# KiCad board panel.opm-inline.kicad_pcb (continued)
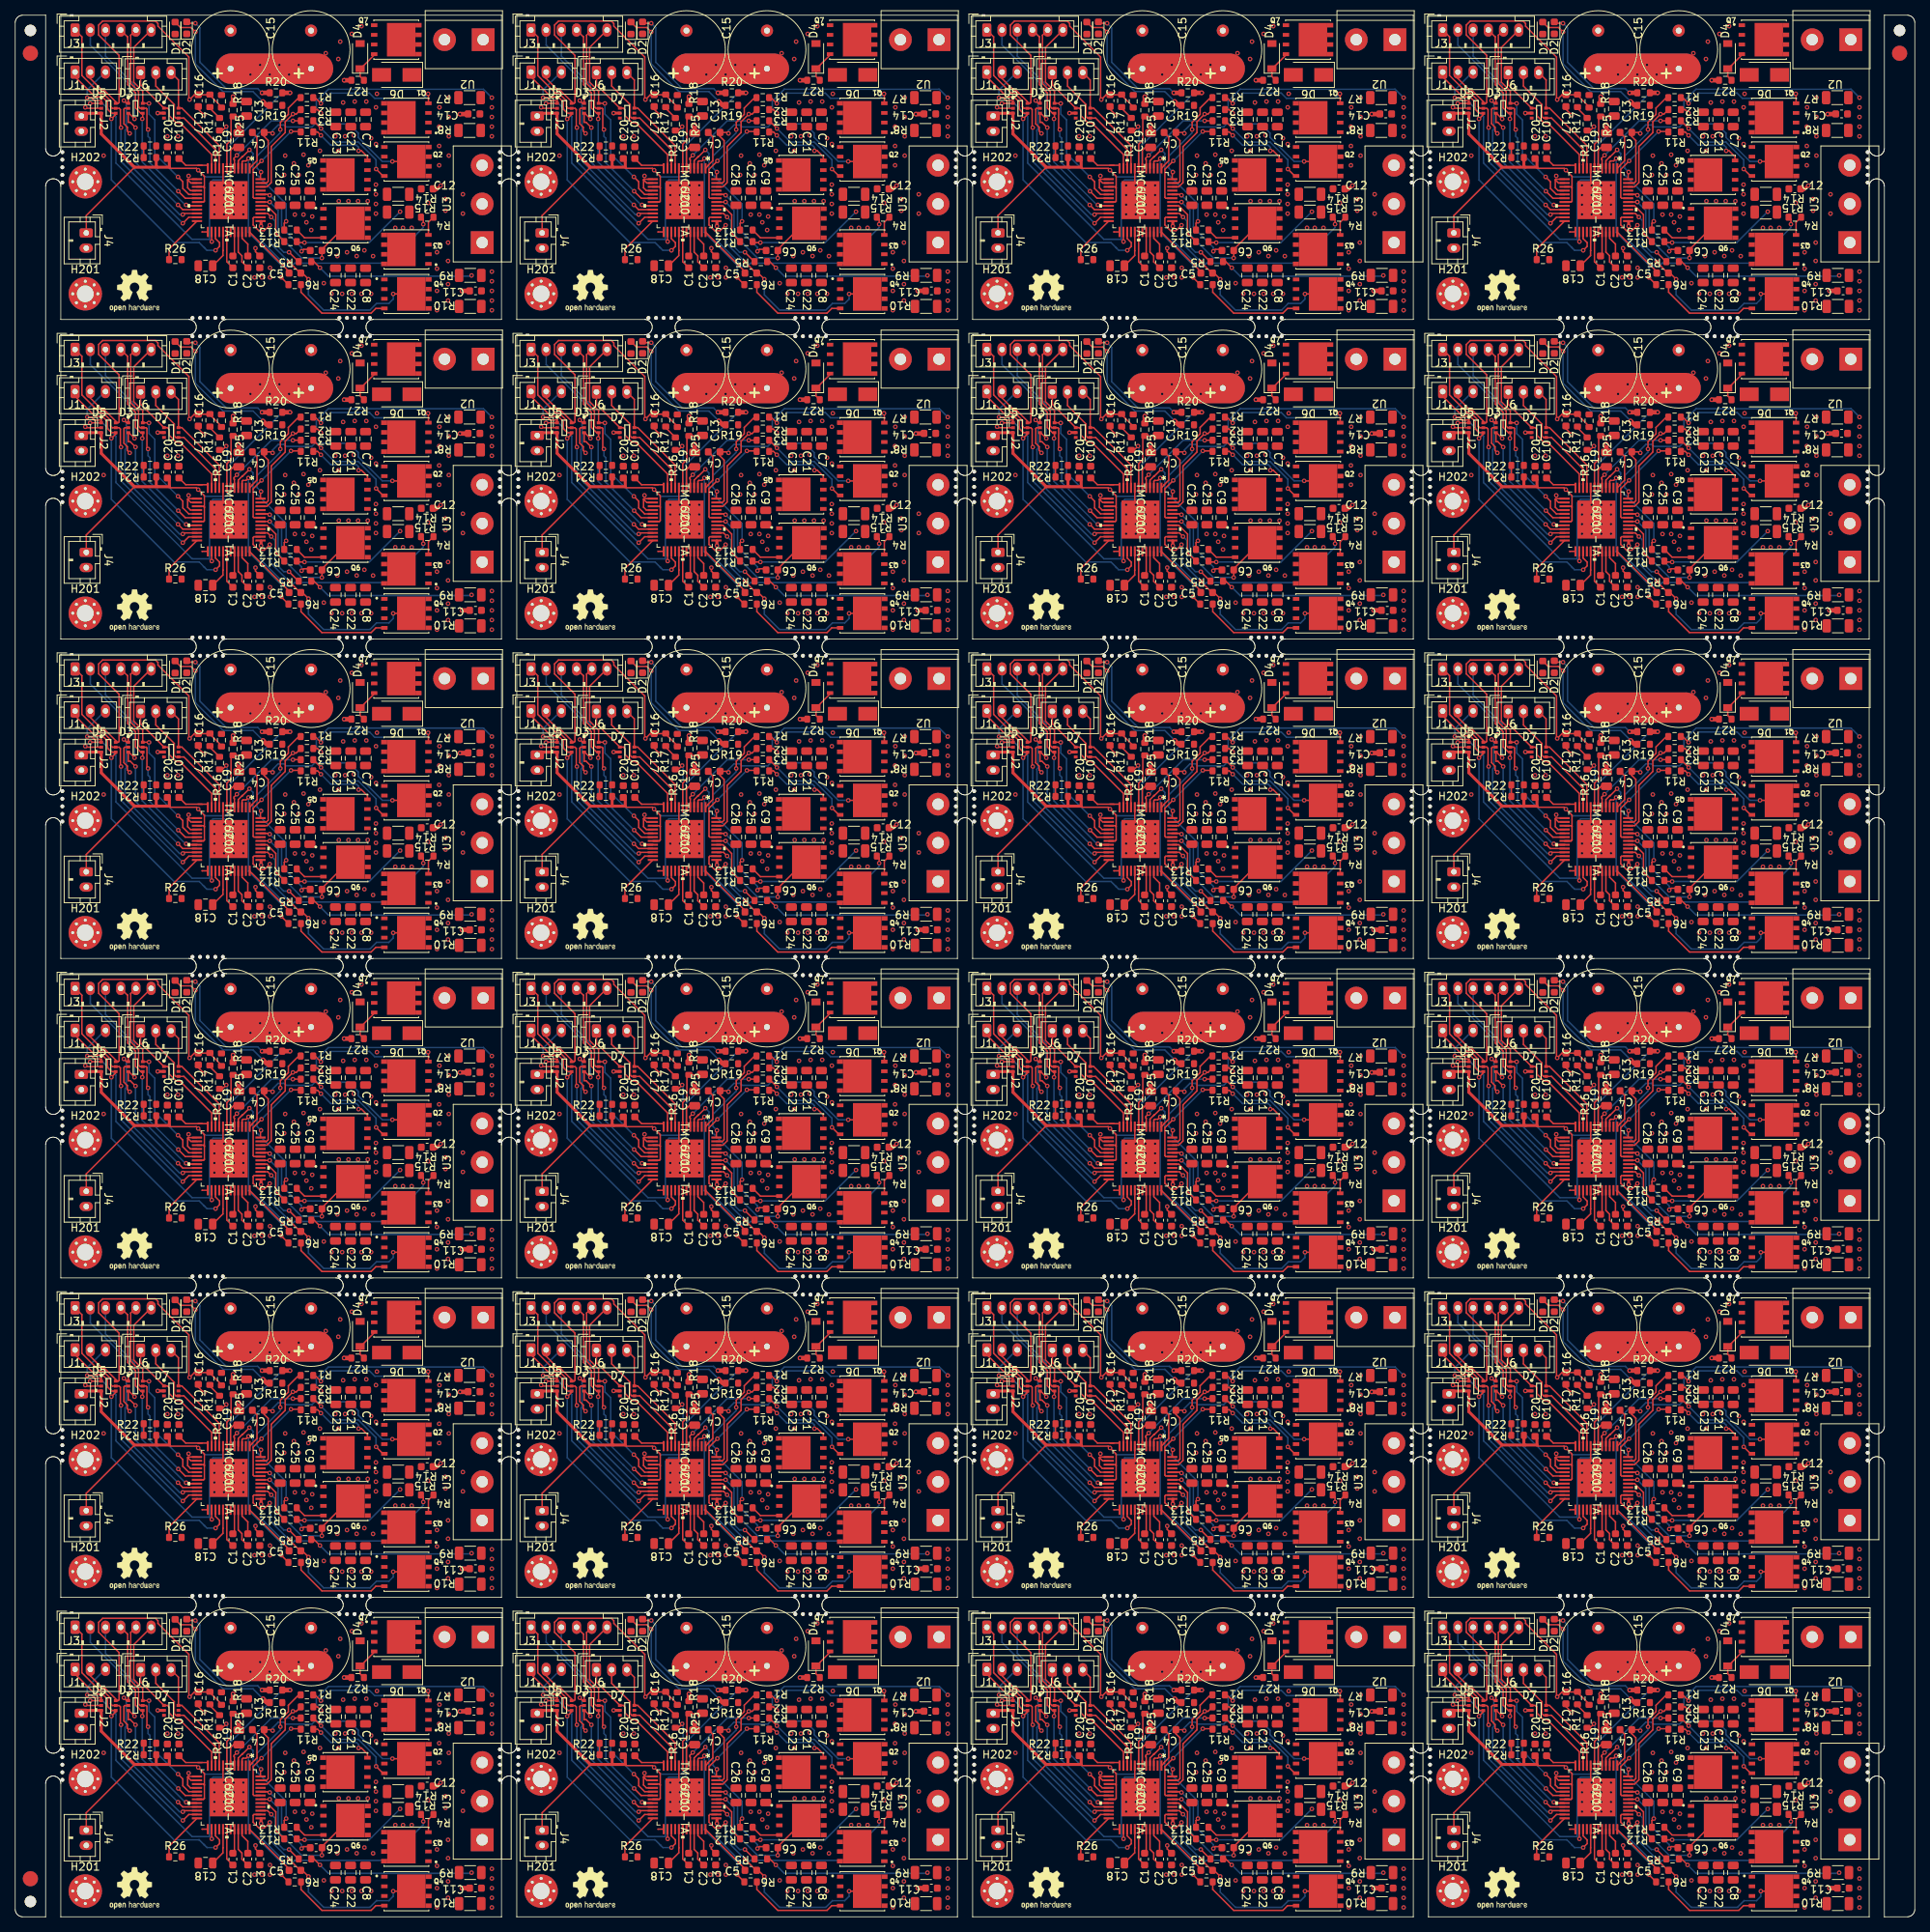
[diagram p0: board, top side]
## Routing (per net, layer and track width the routed paths; a pad name or vN(x,y) marks a point on that pad's centre or on a via; arc(x,y) is an arc through that point) (continued)
Board_0-Net-(D1-Pad2): length 19.4
  Top w0.2: R19#14.1 33.09,238.1 ; D1#2.2 21.74,248.34 23.11,248.34 v1(23.69,247.75)
  Top w0.6: 33.09,238.1 v1(32.58,238.61)
  Bottom w0.2: v1(23.69,247.75) 23.69,243.56 27.34,239.91 31.28,239.91 v1(32.58,238.61)
Board_0-Net-(D2-Pad2): length 17.4
  Top w0.2: v1(23.69,248.9) 22.73,248.9 D2#19.2
  Top w0.6: R20#9.1 v1(32.46,239.75)
  Bottom w0.2: v1(23.69,248.9) 24.29,248.3 24.29,243.77 27.75,240.31 31.89,240.31 v1(32.46,239.75)
Board_0-Net-(D4-Pad1): length 4.4
  Top w0.2: 45.41,242.93 47.21,244.73 Q7#12.4 ; D4#24.1 45.36,241.9 R27#20.1
Board_0-Net-(IC1-Pad3): length 20.6
  Top w0.2: v1(30.68,231.12) 30.36,230.8 29.95,230.8 29.83,230.68 IC1#3.3 ; v1(35,215.49) 35,215.47 R6#11.2
  Bottom w0.2: v1(30.68,231.12) 30.68,221.41 35,217.09 v1(35,215.49)
Board_0-Net-(IC1-Pad4): length 16.7
  Top w0.2: 29.83,231.33 29.92,231.41 ; 29.83,231.33 29.33,230.83 IC1#3.4 29.33,230.64 ; 29.83,231.33 29.87,231.33 v1(30.8,232.26) ; v1(35.63,222.86) 35.38,222.61 R13#5.2
  Bottom w0.2: v1(35.63,222.86) 35.63,225.15 31.28,229.5 31.28,231.79 v1(30.8,232.26)
Board_0-Net-(IC1-Pad5): length 12.2
  Top w0.2: v1(29.15,231.54) 28.77,231.16 28.77,230.99 28.83,230.93 IC1#3.5 ; R3#3.2 36.53,236.08 v1(36.52,236.07)
  Bottom w0.2: v1(29.15,231.54) 33.68,236.07 v1(36.52,236.07)
Board_0-Net-(IC1-Pad24): length 6.6
  Top w0.2: R26#12.1 20.23,219.22 IC1#3.24
Board_0-Net-(IC1-Pad37): length 28.9
  Top w0.2: v1(53.66,222.48) 53.66,223.1 R4#7.2 ; 32.33,222.83 IC1#3.37
  Top w0.4: v1(32.33,222.23) 32.33,222.83
  Bottom w0.2: v1(53.66,222.48) 53.66,222.05 48.97,217.36 36.74,217.36 36.3,216.93 35.72,216.93 32.33,220.32 v1(32.33,222.23)
Board_0-Net-(IC1-Pad39): length 9.3
  Top w0.2: 37.28,217.76 37.05,217.76 v1(36.01,218.8) ; v1(33.67,223.42) 33.2,223.9 IC1#3.39
  Bottom w0.2: v1(33.67,223.42) 34.17,222.92 34.17,219.93 35.31,218.8 v1(36.01,218.8)
Board_0-Net-(IC1-Pad41): length 6.5
  Top w0.2: IC1#3.41 33.11,224.9 34.27,223.74 34.27,221.3 R12#18.2
Board_0-Net-(IC1-Pad43): length 13.1
  Top w0.2: IC1#3.43 31.41,225.9 31.29,226.02 31.29,229.69 v1(32.39,230.8) ; v1(36.27,234.67) 37.49,234.67 R11#5.2
  Bottom w0.2: v1(32.39,230.8) v1(36.27,234.67)
Board_0-Net-(IC1-Pad46): length 13.1
  Top w0.2: IC1#3.46 33.11,227.4 33.67,227.95 33.67,232.69 35.5,234.53 35.5,235.94 v1(36.52,236.96) 36.96,236.96 R2.2
Board_0-Net-(IC1-Pad48): length 13.8
  Top w0.2: R1#8.2 37.28,239.12 35.92,237.75 35.92,236.92 34.87,235.87 v1(34.87,234.93) ; v1(32.33,229.34) 32.26,229.27 IC1#3.48
  Bottom w0.2: v1(34.87,234.93) 34.87,234.5 31.79,231.42 31.79,229.87 v1(32.33,229.34) 32.33,229.59
Board_0-Net-(Q1-Pad4): length 17.8
  Top w0.2: Q1#6.4 54.34,239.58 v1(54.3,239.62) ; R1#8.1 39.44,239.12 v1(40.2,238.35)
  Bottom w0.2: v1(54.3,239.62) 53.7,239.02 47.28,239.02 46.59,239.72 41.56,239.72 v1(40.2,238.35)
Board_0-Net-(Q2-Pad4): length 13.2
  Top w0.2: v1(47.46,229.73) 48.37,228.82 Q2#5.4 ; 40.33,234.95 v1(40.21,235.06) R3#3.1
  Bottom w0.2: v1(47.46,229.73) 47.46,230.94 45.12,233.27 42,233.27 v1(40.21,235.06)
Board_0-Net-(Q3-Pad4): length 2.6
  Top w0.2: R4#7.1 54.34,222.74 Q3#20.4
Board_0-Net-(Q4-Pad4): length 13.5
  Top w0.2: Q4#16.4 47.42,211.41 46.81,210.8 40.33,210.8 37.58,213.54 R6#11.1 37.78,214.54
Board_0-Net-(Q5-Pad4): length 9.2
  Top w0.2: v1(40.2,234.16) 39.76,234.61 R11#5.1 ; Q5#4.4 46.32,231.35 45.54,232.13 v1(45.16,232.13)
  Bottom w0.2: v1(40.2,234.16) 41.5,232.87 44.88,232.87 45.16,232.59 v1(45.16,232.13)
Board_0-Net-(Q6-Pad4): length 3.9
  Top w0.2: R13#5.1 38.04,220.7 Q6#14.4
Board_0-Net-(R16-Pad2): length 2
  Top w0.2: R16#23.2 25.6,237.72 R17#19.1
Board_1-/+VM: length 61.7
  Top w0.2: IC1#16.33 89.28,218.81 89.77,218.33 89.77,217.53 C2#6.1
  Top w0.6: R25.2 v1(88.6,239.24)
  Top w4: 88.34,242.93 99.77,242.93
  In1.Cu w4: 88.6,242.93 98.4,242.93
  In2.Cu w4: 88.34,242.93 99.77,242.93 88.34,242.93
  Bottom w4: 88.34,242.93 99.77,242.93
  vias: v1(90.88,242.16) v1(91.41,215.49) v1(92.15,243.43) v1(92.38,215.49) v1(93.42,242.16) v1(93.45,216.76) v1(93.45,215.49) v1(94.69,243.43) v1(95.33,228.96) v1(95.45,231.5) v1(95.96,242.16) v1(96.6,230.48) v1(97.23,243.43) v1(97.23,228.96) v1(97.87,231.62) v1(98.5,230.23) v1(100.03,232.13) v1(100.79,244.96) v1(102.31,218.3) v1(102.44,244.2) v1(102.44,232.13) v1(102.69,246.48) v1(103.07,238.48) v1(103.58,218.8) v1(104.22,247.5) v1(104.6,238.61) v1(104.85,218.3) v1(105.49,248.51) v1(105.87,219.05) v1(106.12,238.61) v1(107.01,218.29) v1(107.39,237.85) v1(107.52,239.62) v1(109.93,222.01) v1(110.95,222.01) v1(112.09,222.01)
Board_1-/ADC_I_u: length 15.5
  Top w0.2: IC1#16.9 86.78,232.82 81.87,237.73 D7#21.6 81.42,241.44 J6#21.3
Board_1-/ADC_I_v: length 17.7
  Top w0.2: 86.22,230.31 86.28,230.25 IC1#16.10 86.28,232.29 82.13,236.43 D7#21.4 81.08,236.43 80.87,236.64 80.87,238.21 78.44,240.64 J6#21.2 78.94,241.91
Board_1-/ADC_I_w: length 17
  Top w0.2: IC1#16.11 85.78,231.64 81.61,235.81 81.13,235.81 80.21,236.73 80.21,237.49 79.97,237.73 D7#21.1 76.44,240.82 J6#21.1
Board_1-/Connectors/VOFS: length 1.8
  Top w0.2: R22#4.1 R21#23.2 ; 76.53,231.12 76.85,231.12
Board_1-/DRV_EN: length 38.5
  Top w0.2: v1(72.59,236.32) 73.16,236.89 D5#2.4 72.61,237.07 72.09,237.59 72.09,238.54 71.39,239.23 70.45,239.23 67.82,241.86 J1#15.1 ; v1(86.3,219.05) 86.82,219.57 86.82,220.06 86.28,220.59 IC1#16.27 86.28,221.05 86.3,221.03
  Bottom w0.2: 84.79,219.43 84.91,219.3 ; 84.79,219.43 84.15,220.07 80.83,220.07 72.59,228.3 v1(72.59,236.32) ; 84.79,219.43 85.17,219.05 v1(86.3,219.05)
Board_1-/FAULT: length 63.4
  Top w0.2: v1(69.8,238.35) 69.82,238.37 D5#2.1 71.26,238.68 ; 71.32,238.74 70.38,238.74 70,239.12 v1(69.42,239.12) ; v1(85.8,220.19) 85.78,220.21 IC1#16.26
  Top w0.6: R20#19.2 v1(96.09,239.75)
  Bottom w0.2: 73.1,236.7 72.88,236.92 ; 73.1,236.7 73.19,236.61 73.19,230.52 83.22,220.49 85.5,220.49 ; 73.1,236.7 71.45,238.35 v1(69.8,238.35) ; 85.5,220.49 v1(85.8,220.19) ; 85.5,220.49 85.5,227.83 85.97,228.3 88,228.3 88.23,228.54 88.23,232.91 R20#19.2 v1(96.09,239.75) ; J1#15.3 71.76,242.48 69.42,240.13 v1(69.42,239.12)
Board_1-/Motor Driver/VOFS: length 4.7
  Top w0.2: 83.99,230.23 85.26,230.23 ; C10#21.1 82.37,230.23 84.53,230.23
Board_1-/TEMP_PCB: length 42.5
  Top w0.2: 73.16,245.12 73.15,245.13 ; 73.15,245.13 73.61,244.67 73.61,238.48 73.5,238.37 D5#2.6 73.16,238.59 71.73,240.03 71.43,240.03 69.82,241.63 J1#15.2 ; 73.15,245.13 70.92,247.36 70.92,248.65 71.45,249.18 78.4,249.18 78.72,248.86 78.72,248.52 82.79,244.45 82.79,238.95 v1(82.88,238.86) 83.52,239.5 C17#12.1 85.52,239.5 R17#7.2 85.55,239.43 87.07,237.91
Board_1-/U: length 27.2
  Top w0.2: R2#7.1 99.69,237.55 v1(100.15,237.08)
  Bottom w0.2: v1(122.63,239.12) 121.52,240.22 101.14,240.22 99.55,238.64 99.55,237.68 v1(100.15,237.08)
  vias: v1(122.63,237.85) v1(122.63,236.58) v1(122.63,235.31) v1(122.63,234.04)
Board_1-/UH: length 27.5
  Top w0.2: v1(81.36,228.7) 81.99,228.07 81.99,227.18 82.77,226.4 IC1#16.17 ; 77.82,247.65 J3#2.6 75.54,245.72 75.54,241.15 76.72,239.97 D3#16.6 77.53,238.37 v1(77.55,238.35)
  Bottom w0.2: v1(77.55,238.35) 77.55,236.96 78.31,236.2 78.31,231.75 v1(81.36,228.7)
Board_1-/UL: length 27.4
  Top w0.2: v1(77.42,234.93) 77.27,235.08 77.27,237.62 77.17,237.72 D3#16.5 76.38,237.72 76.17,237.93 76.17,239.93 76.02,240.07 76.02,240.1 75.14,240.98 75.14,247.32 J3#2.5 ; IC1#16.18 82.31,225.9 v1(81.39,226.82)
  Bottom w0.2: v1(77.42,234.93) 77.42,234.04 77.67,233.78 77.67,230.53 v1(81.39,226.82)
Board_1-/V: length 15.3
  Top w0.2: R12#5.1 97.1,220.07 v1(97.99,220.07)
  Bottom w0.2: v1(110.57,224.13) 106.5,220.07 v1(97.99,220.07)
  vias: v1(114.25,225.27) v1(116.54,225.78) v1(116.54,224.26) v1(118.82,226.42) v1(118.82,223.88)
Board_1-/VH: length 30.4
  Top w0.2: v1(82.43,225.02) 82.55,224.9 IC1#16.20 82.98,224.9 ; D3#16.4 76.46,237.07 75.77,237.76 75.77,239.75 75.37,240.15 75.37,240.19 74.74,240.82 74.74,247.12 74.71,247.12 J3#2.4 ; D3#16.4 76.52,237.07 ; D3#16.4 76.72,236.26
  Bottom w0.2: 76.66,236.2 76.66,230.66 82.43,224.9 82.24,224.9 82.24,225.01 ; 74.37,247.46 J3#2.4
  vias: v1(76.66,236.32)
Board_1-/VL: length 32.1
  Top w0.2: IC1#16.21 81.98,224.4 v1(81.36,225.02) ; v1(75.64,236.32) 74.9,237.07 D3#16.3 ; 74.88,237.01 D3#16.3 ; D3#16.3 74.82,235.88 75.07,235.88 v1(75.77,235.18)
  Bottom w0.2: v1(75.64,236.32) 75.64,240.77 71.82,244.59 J3#2.3 ; v1(81.36,225.02) 75.77,230.61 v1(75.77,235.18)
Board_1-/VSA: length 5
  Top w0.2: C18.1 87.27,218.37 87.27,219.01 87.28,219.02 IC1#16.29
Board_1-/W: length 21.9
  Top w0.2: 98.91,217.78 98.88,217.76 ; R5#22.1 99.23,217.56 v1(100.03,216.76)
  Bottom w0.2: v1(100.03,216.76) 101.13,215.66 119.87,215.66 v1(119.97,215.75)
  vias: v1(122.63,216.26) v1(122.63,214.99) v1(122.63,213.72) v1(122.63,212.45) v1(122.63,211.18)
Board_1-/WH: length 33.7
  Top w0.2: v1(74.25,238.74) 74.61,238.37 D3#16.1 ; IC1#16.22 82.14,223.9 v1(81.99,223.75) ; D3#16.1 74.75,238.44 ; D3#16.1 74.82,239.18 v1(75.01,239.37)
  Bottom w0.2: 74.86,230.46 81.57,223.75 v1(81.99,223.75) ; 74.86,230.46 74.41,230.91 74.41,234.83 74.55,234.97 74.55,238.44 v1(74.25,238.74) ; 74.86,230.46 74.75,230.56 ; 73.46,242.38 73.26,242.58 ; 73.26,242.58 69.82,246.02 J3#2.2 ; 73.26,242.58 74.66,241.18 ; 74.75,241.09 74.66,241.18 ; 74.66,241.18 75.01,240.84 v1(75.01,239.37)
Board_1-/WL: length 34.8
  Top w0.2: IC1#16.23 82.78,223.4 v1(81.99,222.61) ; v1(73.86,235.18) 73.78,235.26 73.78,237.55 73.61,237.72 D5#2.5 72.71,237.72 72.49,237.95 72.49,238.7 71.56,239.63 71.12,239.63 68.72,242.03 68.72,247.11 J3#2.1 67.84,248.01
  Bottom w0.2: v1(81.99,222.61) 73.86,230.73 v1(73.86,235.18) ; 67.82,247.46 J3#2.1
Board_1-GND: length 31.2
  Top w0.2: 119.49,236.96 C14#4.2 ; C17#12.2 84.02,237.59 v1(84.79,236.83) ; D5#2.2 69.29,237.72 v1(69.17,237.85) ; 84.53,221.46 84.54,221.47 IC1#16.25 85.28,221.36 ; 89.78,227.4 IC1#16.EPAD ; IC1#16.EPAD 87.28,226.4 IC1#16.8 ; IC1#16.EPAD 85.78,223.4 ; v1(75.01,234.42) 74.71,234.72 74.71,235.22 74.25,235.69 74.25,237.6 74.37,237.72 D3#16.2 ; C3#6.2 91.54,218.87 v1(91.54,219.33) ; IC1#16.13 82.7,228.4 82.63,228.32 ; IC1#16.14 83.05,227.9 82.63,228.32 ; 82.63,228.32 82.63,227.27 83,226.9 IC1#16.16
  Top w0.4: 114.9,227.05 115.39,227.05 v1(115.9,227.56) ; D7#21.2 v1(78.69,237.08)
  Top w0.6: v1(103.2,241.4) R27#13.2 ; v1(118.7,213.72) C11#6.2 ; v1(118.44,236.96) 119.49,236.96 ; C19#14.2 v1(89.36,235.56)
  vias: v1(71.58,231.5) v1(79.96,234.04) v1(81.36,234.04) v1(82.75,228.83) v1(86.14,227.59) v1(86.14,226.32) v1(86.14,225.05) v1(86.14,223.78) v1(87.41,227.59) v1(87.41,226.32) v1(87.41,225.05) v1(87.41,223.78) v1(88.68,227.59) v1(88.68,226.32) v1(88.68,225.05) v1(88.68,223.78) v1(89.95,227.59) v1(89.95,226.32) v1(89.95,225.05) v1(89.95,223.78) v1(96.72,223.75) v1(97.87,223.75) v1(98.25,222.73) v1(98.88,221.72) v1(99.01,223.5) v1(100.53,214.73) v1(101.55,213.34) v1(102.06,234.04) v1(102.95,213.34) v1(103.33,234.04) v1(104.22,213.34) v1(104.47,234.16) v1(105.49,213.34) v1(106.76,233.78) v1(106.76,213.34) v1(107.39,233.02)
Board_1-Net-(C1-Pad1): length 5
  Top w0.2: IC1#16.30 87.78,217.55 C1#7.1
Board_1-Net-(C1-Pad2): length 3.2
  Top w0.2: C1#7.2 88.78,218.52 IC1#16.32
Board_1-Net-(C2-Pad2): length 3.5
  Top w0.2: IC1#16.34 89.78,220.63 90.54,219.87 C2#6.2
Board_1-Net-(C4-Pad1): length 31
  Top w0.2: C4#4.1 92.69,234.07 ; C4#4.1 93.68,234.54 v1(93.8,234.42) ; C4#4.1 92.69,234.01 93.22,233.47 93.22,228.12 93,227.9 IC1#16.47 ; v1(109.55,230.73) 109.56,230.73 Q2#22.5
  Bottom w0.2: v1(93.8,234.42) 93.8,234.8 94.53,235.53 95.29,235.53 95.55,235.27 98.98,235.27 99.37,235.66 103.86,235.66 105.07,234.45 105.07,233.89 108.23,230.73 v1(109.55,230.73)
  vias: v1(115.7,235.31) v1(115.7,232.77) v1(115.7,230.23) v1(115.74,237.85) v1(116.97,239.12) v1(116.97,236.58) v1(116.97,234.04) v1(116.97,231.5)
Board_1-Net-(C4-Pad2): length 5.4
  Top w0.2: C4#4.2 91.74,233.94 91.74,230.83 91.14,230.23 91.14,230.18 IC1#16.1
Board_1-Net-(C5-Pad1): length 7.4
  Top w0.2: IC1#16.36 90.78,221.44 95.96,216.26
Board_1-Net-(C5-Pad2): length 31.7
  Top w0.2: v1(109.66,213.32) Q4#24.5 ; v1(98.52,215.25) 97.71,216.06 C5#22.2 ; v1(93.42,222.35) 92.7,221.63 91.99,221.63 91.24,222.38 91.24,223.28 91.36,223.4 IC1#16.38 ; 97.51,216.26 97.23,216.26 v1(95.96,217.53)
  Bottom w0.2: v1(93.42,222.35) 93.52,222.25 93.52,219.97 v1(95.96,217.53) ; v1(109.66,213.32) 109.66,212.63 109.09,212.07 107.46,212.07 106.59,211.2 100.51,211.2 98.52,213.2 v1(98.52,215.25)
  vias: v1(115.41,218.8) v1(115.41,216.64) v1(115.41,213.72) v1(115.41,211.18) v1(116.87,220.07) v1(116.87,217.65) v1(116.87,214.61) v1(116.87,212.45)
Board_1-Net-(C6-Pad1): length 19.3
  Top w0.2: v1(93.42,225.4) 93.42,225.4 IC1#16.42 ; Q6#9.5 103.72,222.61 100.29,219.18 100.29,218.05 v1(100.28,218.03)
  Bottom w0.2: v1(93.42,225.4) 94.52,224.3 94.52,221.13 97.61,218.03 v1(100.28,218.03)
  vias: v1(102.5,225.52) v1(103.77,225.52) v1(105.04,225.52) v1(106.31,225.52) v1(107.38,227.69) v1(107.38,226.42) v1(107.38,225.15) v1(107.38,223.88)
Board_1-Net-(C6-Pad2): length 12.4
  Top w0.2: v1(97.61,218.92) 97.87,219.18 98.74,219.18 ; v1(93.42,226.29) 93.32,226.4 IC1#16.44 93.06,226.4
  Bottom w0.2: v1(97.61,218.92) 97.61,219.43 94.98,222.06 94.98,224.73 v1(93.42,226.29)
Board_1-Net-(D1-Pad2): length 19.4
  Top w0.2: R19.1 93.04,238.1 ; D1#9.2 81.69,248.34 83.06,248.34 v1(83.64,247.75)
  Top w0.6: 93.04,238.1 v1(92.53,238.61)
  Bottom w0.2: v1(83.64,247.75) 83.64,243.56 87.29,239.91 91.23,239.91 v1(92.53,238.61)
Board_1-Net-(D2-Pad2): length 17.4
  Top w0.2: v1(83.64,248.9) 82.68,248.9 D2#22.2
  Top w0.6: R20#19.1 v1(92.41,239.75)
  Bottom w0.2: v1(83.64,248.9) 84.24,248.3 84.24,243.77 87.7,240.31 91.84,240.31 v1(92.41,239.75)
Board_1-Net-(D4-Pad1): length 4.4
  Top w0.2: 105.36,242.93 107.16,244.73 Q7#23.4 ; D4#7.1 105.31,241.9 R27#13.1
Board_1-Net-(IC1-Pad3): length 20.6
  Top w0.2: v1(90.63,231.12) 90.31,230.8 89.9,230.8 89.78,230.68 IC1#16.3 ; v1(94.95,215.49) 94.95,215.47 R6#21.2
  Bottom w0.2: v1(90.63,231.12) 90.63,221.41 94.95,217.09 v1(94.95,215.49)
Board_1-Net-(IC1-Pad4): length 16.7
  Top w0.2: 89.78,231.33 89.87,231.41 ; 89.78,231.33 89.28,230.83 IC1#16.4 89.28,230.64 ; 89.78,231.33 89.82,231.33 v1(90.76,232.26) ; v1(95.58,222.86) 95.33,222.61 R13#4.2
  Bottom w0.2: v1(95.58,222.86) 95.58,225.15 91.23,229.5 91.23,231.79 v1(90.76,232.26)
Board_1-Net-(IC1-Pad5): length 12.2
  Top w0.2: v1(89.1,231.54) 88.72,231.16 88.72,230.99 88.78,230.93 IC1#16.5 ; R3#8.2 96.48,236.08 v1(96.47,236.07)
  Bottom w0.2: v1(89.1,231.54) 93.63,236.07 v1(96.47,236.07)
Board_1-Net-(IC1-Pad24): length 6.6
  Top w0.2: R26#13.1 80.18,219.22 IC1#16.24
Board_1-Net-(IC1-Pad37): length 28.9
  Top w0.2: v1(113.62,222.48) 113.62,223.1 R4#11.2 ; 92.28,222.83 IC1#16.37
  Top w0.4: v1(92.28,222.23) 92.28,222.83
  Bottom w0.2: v1(113.62,222.48) 113.62,222.05 108.92,217.36 96.69,217.36 96.25,216.93 95.67,216.93 92.28,220.32 v1(92.28,222.23)
Board_1-Net-(IC1-Pad39): length 9.3
  Top w0.2: 97.23,217.76 97,217.76 v1(95.96,218.8) ; v1(93.62,223.42) 93.15,223.9 IC1#16.39
  Bottom w0.2: v1(93.62,223.42) 94.12,222.92 94.12,219.93 95.26,218.8 v1(95.96,218.8)
Board_1-Net-(IC1-Pad41): length 6.5
  Top w0.2: IC1#16.41 93.06,224.9 94.22,223.74 94.22,221.3 R12#5.2
Board_1-Net-(IC1-Pad43): length 13.1
  Top w0.2: IC1#16.43 91.36,225.9 91.24,226.02 91.24,229.69 v1(92.34,230.8) ; v1(96.22,234.67) 97.44,234.67 R11#16.2
  Bottom w0.2: v1(92.34,230.8) v1(96.22,234.67)
Board_1-Net-(IC1-Pad46): length 13.1
  Top w0.2: IC1#16.46 93.06,227.4 93.62,227.95 93.62,232.69 95.45,234.53 95.45,235.94 v1(96.47,236.96) 96.91,236.96 R2#7.2
Board_1-Net-(IC1-Pad48): length 13.8
  Top w0.2: R1#13.2 97.23,239.12 95.87,237.75 95.87,236.92 94.82,235.87 v1(94.82,234.93) ; v1(92.28,229.34) 92.21,229.27 IC1#16.48
  Bottom w0.2: v1(94.82,234.93) 94.82,234.5 91.74,231.42 91.74,229.87 v1(92.28,229.34) 92.28,229.59
Board_1-Net-(Q1-Pad4): length 17.8
  Top w0.2: Q1#3.4 114.29,239.58 v1(114.25,239.62) ; R1#13.1 99.39,239.12 v1(100.15,238.35)
  Bottom w0.2: v1(114.25,239.62) 113.65,239.02 107.23,239.02 106.54,239.72 101.52,239.72 v1(100.15,238.35)
Board_1-Net-(Q2-Pad4): length 13.2
  Top w0.2: v1(107.41,229.73) 108.32,228.82 Q2#22.4 ; 100.28,234.95 v1(100.16,235.06) R3#8.1
  Bottom w0.2: v1(107.41,229.73) 107.41,230.94 105.07,233.27 101.95,233.27 v1(100.16,235.06)
Board_1-Net-(Q3-Pad4): length 2.6
  Top w0.2: R4#11.1 114.29,222.74 Q3#2.4
Board_1-Net-(Q4-Pad4): length 13.5
  Top w0.2: Q4#24.4 107.37,211.41 106.76,210.8 100.28,210.8 97.53,213.54 R6#21.1 97.73,214.54
Board_1-Net-(Q5-Pad4): length 9.2
  Top w0.2: v1(100.15,234.16) 99.71,234.61 R11#16.1 ; Q5#12.4 106.27,231.35 105.49,232.13 v1(105.11,232.13)
  Bottom w0.2: v1(100.15,234.16) 101.45,232.87 104.83,232.87 105.11,232.59 v1(105.11,232.13)
Board_1-Net-(Q6-Pad4): length 3.9
  Top w0.2: R13#4.1 97.99,220.7 Q6#9.4
Board_1-Net-(R16-Pad2): length 2
  Top w0.2: R16#11.2 85.55,237.72 R17#7.1
Board_2-/+VM: length 61.7
  Top w0.2: IC1#11.33 149.23,218.81 149.72,218.33 149.72,217.53 C2#9.1
  Top w0.6: R25#6.2 v1(148.55,239.24)
  Top w4: 148.29,242.93 159.72,242.93
  In1.Cu w4: 148.55,242.93 158.35,242.93
  In2.Cu w4: 148.29,242.93 159.72,242.93 148.29,242.93
  Bottom w4: 148.29,242.93 159.72,242.93
  vias: v1(150.83,242.16) v1(151.36,215.49) v1(152.1,243.43) v1(152.33,215.49) v1(153.37,242.16) v1(153.4,216.76) v1(153.4,215.49) v1(154.64,243.43) v1(155.28,228.96) v1(155.4,231.5) v1(155.91,242.16) v1(156.55,230.48) v1(157.18,243.43) v1(157.18,228.96) v1(157.82,231.62) v1(158.45,230.23) v1(159.98,232.13) v1(160.74,244.96) v1(162.26,218.3) v1(162.39,244.2) v1(162.39,232.13) v1(162.64,246.48) v1(163.02,238.48) v1(163.53,218.8) v1(164.17,247.5) v1(164.55,238.61) v1(164.8,218.3) v1(165.44,248.51) v1(165.82,219.05) v1(166.07,238.61) v1(166.96,218.29) v1(167.34,237.85) v1(167.47,239.62) v1(169.88,222.01) v1(170.9,222.01) v1(172.04,222.01)
Board_2-/ADC_I_u: length 15.5
  Top w0.2: IC1#11.9 146.73,232.82 141.82,237.73 D7#18.6 141.37,241.44 J6#7.3
Board_2-/ADC_I_v: length 17.7
  Top w0.2: 146.17,230.31 146.23,230.25 IC1#11.10 146.23,232.29 142.08,236.43 D7#18.4 141.03,236.43 140.82,236.64 140.82,238.21 138.39,240.64 J6#7.2 138.89,241.91
Board_2-/ADC_I_w: length 17
  Top w0.2: IC1#11.11 145.73,231.64 141.56,235.81 141.08,235.81 140.16,236.73 140.16,237.49 139.92,237.73 D7#18.1 136.39,240.82 J6#7.1
Board_2-/Connectors/VOFS: length 1.8
  Top w0.2: R22#12.1 R21#7.2 ; 136.48,231.12 136.8,231.12
Board_2-/DRV_EN: length 38.5
  Top w0.2: v1(132.54,236.32) 133.11,236.89 D5#19.4 132.56,237.07 132.04,237.59 132.04,238.54 131.34,239.23 130.4,239.23 127.77,241.86 J1#13.1 ; v1(146.25,219.05) 146.77,219.57 146.77,220.06 146.23,220.59 IC1#11.27 146.23,221.05 146.25,221.03
  Bottom w0.2: 144.74,219.43 144.86,219.3 ; 144.74,219.43 144.1,220.07 140.78,220.07 132.54,228.3 v1(132.54,236.32) ; 144.74,219.43 145.12,219.05 v1(146.25,219.05)
Board_2-/FAULT: length 63.4
  Top w0.2: v1(129.75,238.35) 129.77,238.37 D5#19.1 131.21,238.68 ; 131.27,238.74 130.33,238.74 129.95,239.12 v1(129.37,239.12) ; v1(145.75,220.19) 145.73,220.21 IC1#11.26
  Top w0.6: R20#3.2 v1(156.04,239.75)
  Bottom w0.2: 133.05,236.7 132.83,236.92 ; 133.05,236.7 133.14,236.61 133.14,230.52 143.17,220.49 145.45,220.49 ; 133.05,236.7 131.4,238.35 v1(129.75,238.35) ; 145.45,220.49 v1(145.75,220.19) ; 145.45,220.49 145.45,227.83 145.92,228.3 147.95,228.3 148.18,228.54 148.18,232.91 R20#3.2 v1(156.04,239.75) ; J1#13.3 131.71,242.48 129.37,240.13 v1(129.37,239.12)
Board_2-/Motor Driver/VOFS: length 4.7
  Top w0.2: 143.94,230.23 145.21,230.23 ; C10#15.1 142.32,230.23 144.48,230.23
Board_2-/TEMP_PCB: length 42.5
  Top w0.2: 133.11,245.12 133.1,245.13 ; 133.1,245.13 133.56,244.67 133.56,238.48 133.45,238.37 D5#19.6 133.11,238.59 131.68,240.03 131.38,240.03 129.77,241.63 J1#13.2 ; 133.1,245.13 130.87,247.36 130.87,248.65 131.4,249.18 138.35,249.18 138.67,248.86 138.67,248.52 142.74,244.45 142.74,238.95 v1(142.83,238.86) 143.47,239.5 C17#22.1 145.47,239.5 R17#2.2 145.5,239.43 147.02,237.91
Board_2-/U: length 27.2
  Top w0.2: R2#2.1 159.64,237.55 v1(160.1,237.08)
  Bottom w0.2: v1(182.58,239.12) 181.47,240.22 161.09,240.22 159.5,238.64 159.5,237.68 v1(160.1,237.08)
  vias: v1(182.58,237.85) v1(182.58,236.58) v1(182.58,235.31) v1(182.58,234.04)
Board_2-/UH: length 27.5
  Top w0.2: v1(141.31,228.7) 141.94,228.07 141.94,227.18 142.72,226.4 IC1#11.17 ; 137.77,247.65 J3#24.6 135.49,245.72 135.49,241.15 136.67,239.97 D3.6 137.48,238.37 v1(137.5,238.35)
  Bottom w0.2: v1(137.5,238.35) 137.5,236.96 138.26,236.2 138.26,231.75 v1(141.31,228.7)
Board_2-/UL: length 27.4
  Top w0.2: v1(137.37,234.93) 137.22,235.08 137.22,237.62 137.12,237.72 D3.5 136.33,237.72 136.12,237.93 136.12,239.93 135.97,240.07 135.97,240.1 135.09,240.98 135.09,247.32 J3#24.5 ; IC1#11.18 142.26,225.9 v1(141.34,226.82)
  Bottom w0.2: v1(137.37,234.93) 137.37,234.04 137.62,233.78 137.62,230.53 v1(141.34,226.82)
Board_2-/V: length 15.3
  Top w0.2: R12#6.1 157.05,220.07 v1(157.94,220.07)
  Bottom w0.2: v1(170.52,224.13) 166.45,220.07 v1(157.94,220.07)
  vias: v1(174.2,225.27) v1(176.49,225.78) v1(176.49,224.26) v1(178.77,226.42) v1(178.77,223.88)
Board_2-/VH: length 30.4
  Top w0.2: v1(142.38,225.02) 142.5,224.9 IC1#11.20 142.93,224.9 ; D3.4 136.41,237.07 135.72,237.76 135.72,239.75 135.32,240.15 135.32,240.19 134.69,240.82 134.69,247.12 134.66,247.12 J3#24.4 ; D3.4 136.47,237.07 ; D3.4 136.67,236.26
  Bottom w0.2: 136.61,236.2 136.61,230.66 142.38,224.9 142.19,224.9 142.19,225.01 ; 134.32,247.46 J3#24.4
  vias: v1(136.61,236.32)
Board_2-/VL: length 32.1
  Top w0.2: IC1#11.21 141.93,224.4 v1(141.31,225.02) ; v1(135.59,236.32) 134.85,237.07 D3.3 ; 134.83,237.01 D3.3 ; D3.3 134.77,235.88 135.02,235.88 v1(135.72,235.18)
  Bottom w0.2: v1(135.59,236.32) 135.59,240.77 131.77,244.59 J3#24.3 ; v1(141.31,225.02) 135.72,230.61 v1(135.72,235.18)
Board_2-/VSA: length 5
  Top w0.2: C18#17.1 147.22,218.37 147.22,219.01 147.23,219.02 IC1#11.29
Board_2-/W: length 21.9
  Top w0.2: 158.86,217.78 158.83,217.76 ; R5#9.1 159.18,217.56 v1(159.98,216.76)
  Bottom w0.2: v1(159.98,216.76) 161.08,215.66 179.82,215.66 v1(179.92,215.75)
  vias: v1(182.58,216.26) v1(182.58,214.99) v1(182.58,213.72) v1(182.58,212.45) v1(182.58,211.18)
Board_2-/WH: length 33.7
  Top w0.2: v1(134.2,238.74) 134.56,238.37 D3.1 ; IC1#11.22 142.09,223.9 v1(141.94,223.75) ; D3.1 134.7,238.44 ; D3.1 134.77,239.18 v1(134.96,239.37)
  Bottom w0.2: 134.81,230.46 141.52,223.75 v1(141.94,223.75) ; 134.81,230.46 134.36,230.91 134.36,234.83 134.5,234.97 134.5,238.44 v1(134.2,238.74) ; 134.81,230.46 134.7,230.56 ; 133.41,242.38 133.21,242.58 ; 133.21,242.58 129.77,246.02 J3#24.2 ; 133.21,242.58 134.61,241.18 ; 134.7,241.09 134.61,241.18 ; 134.61,241.18 134.96,240.84 v1(134.96,239.37)
Board_2-/WL: length 34.8
  Top w0.2: IC1#11.23 142.73,223.4 v1(141.94,222.61) ; v1(133.81,235.18) 133.73,235.26 133.73,237.55 133.56,237.72 D5#19.5 132.66,237.72 132.44,237.95 132.44,238.7 131.51,239.63 131.07,239.63 128.67,242.03 128.67,247.11 J3#24.1 127.79,248.01
  Bottom w0.2: v1(141.94,222.61) 133.81,230.73 v1(133.81,235.18) ; 127.77,247.46 J3#24.1
Board_2-GND: length 31.2
  Top w0.2: 179.44,236.96 C14#3.2 ; C17#22.2 143.97,237.59 v1(144.74,236.83) ; D5#19.2 129.24,237.72 v1(129.12,237.85) ; 144.48,221.46 144.49,221.47 IC1#11.25 145.23,221.36 ; 149.73,227.4 IC1#11.EPAD ; IC1#11.EPAD 147.23,226.4 IC1#11.8 ; IC1#11.EPAD 145.73,223.4 ; v1(134.96,234.42) 134.66,234.72 134.66,235.22 134.2,235.69 134.2,237.6 134.32,237.72 D3.2 ; C3#8.2 151.49,218.87 v1(151.49,219.33) ; IC1#11.13 142.65,228.4 142.58,228.32 ; IC1#11.14 143,227.9 142.58,228.32 ; 142.58,228.32 142.58,227.27 142.95,226.9 IC1#11.16
  Top w0.4: 174.85,227.05 175.34,227.05 v1(175.85,227.56) ; D7#18.2 v1(138.64,237.08)
  Top w0.6: v1(163.15,241.4) R27#16.2 ; v1(178.65,213.72) C11#24.2 ; v1(178.39,236.96) 179.44,236.96 ; C19#20.2 v1(149.31,235.56)
  vias: v1(131.53,231.5) v1(139.91,234.04) v1(141.31,234.04) v1(142.7,228.83) v1(146.09,227.59) v1(146.09,226.32) v1(146.09,225.05) v1(146.09,223.78) v1(147.36,227.59) v1(147.36,226.32) v1(147.36,225.05) v1(147.36,223.78) v1(148.63,227.59) v1(148.63,226.32) v1(148.63,225.05) v1(148.63,223.78) v1(149.9,227.59) v1(149.9,226.32) v1(149.9,225.05) v1(149.9,223.78) v1(156.67,223.75) v1(157.82,223.75) v1(158.2,222.73) v1(158.83,221.72) v1(158.96,223.5) v1(160.48,214.73) v1(161.5,213.34) v1(162.01,234.04) v1(162.9,213.34) v1(163.28,234.04) v1(164.17,213.34) v1(164.42,234.16) v1(165.44,213.34) v1(166.71,233.78) v1(166.71,213.34) v1(167.34,233.02)
Board_2-Net-(C1-Pad1): length 5
  Top w0.2: IC1#11.30 147.73,217.55 C1#9.1
Board_2-Net-(C1-Pad2): length 3.2
  Top w0.2: C1#9.2 148.73,218.52 IC1#11.32
Board_2-Net-(C2-Pad2): length 3.5
  Top w0.2: IC1#11.34 149.73,220.63 150.49,219.87 C2#9.2
Board_2-Net-(C4-Pad1): length 31
  Top w0.2: C4#15.1 152.64,234.07 ; C4#15.1 153.63,234.54 v1(153.75,234.42) ; C4#15.1 152.64,234.01 153.17,233.47 153.17,228.12 152.95,227.9 IC1#11.47 ; v1(169.5,230.73) 169.51,230.73 Q2#13.5
  Bottom w0.2: v1(153.75,234.42) 153.75,234.8 154.48,235.53 155.24,235.53 155.5,235.27 158.93,235.27 159.32,235.66 163.81,235.66 165.02,234.45 165.02,233.89 168.18,230.73 v1(169.5,230.73)